# Altium PCB DIO-BNC.PCBDOC (part 1 of 3) (continued)
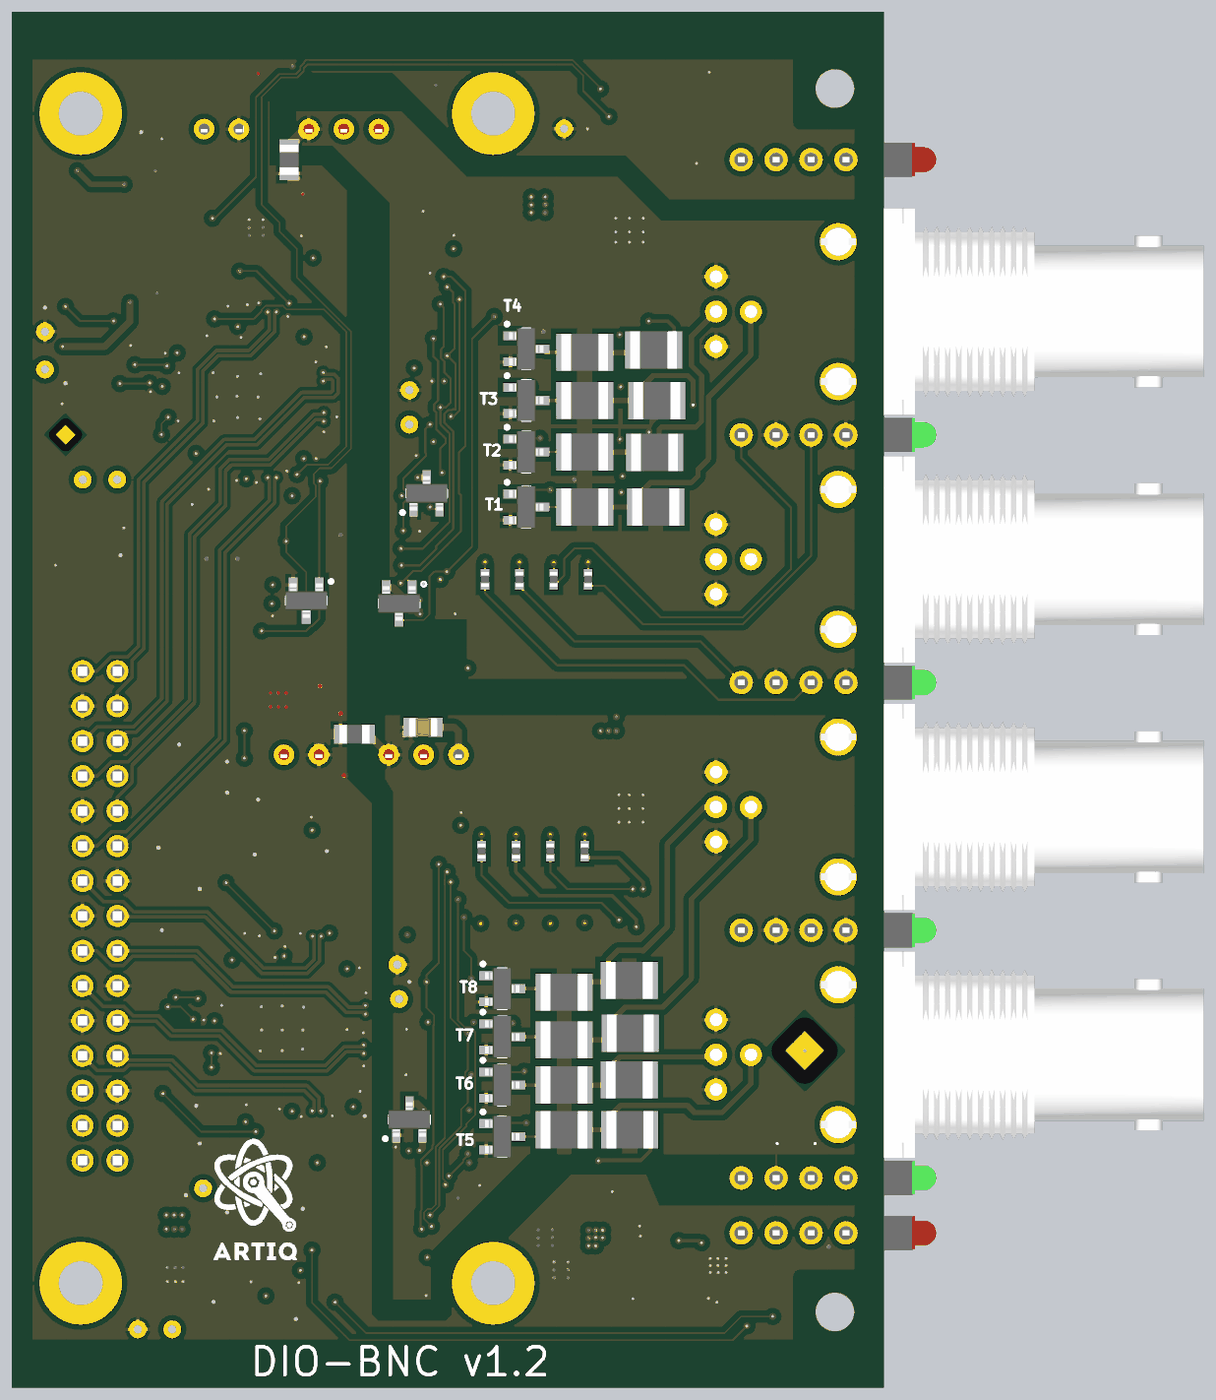
[diagram p7: 3D render of the assembled board from below, using the file's embedded part models]

## Layer stack, top to bottom
TopSolder: solder mask 0.4, Solder Resist, Dk 3.5
TopLayer: signal copper 1.4
Dielectric1: core 14.1732, FR-4, Dk 4.8
Internal Plane 2: plane copper 1.4169, net (Multiple Nets)
Dielectric 3: prepreg 31.4961, Dk 4.2
Internal Plane 1: plane copper 1.4169, net (Multiple Nets)
Dielectric2: core 14.1732, FR-4, Dk 4.2
BottomLayer: signal copper 1.4
BottomSolder: solder mask 0.4, Solder Resist, Dk 3.5

## Board outline
0,0 2496.06,0 2496.06,3937 0,3937

## Design rules (kind name [scope] priority, off if disabled: settings)
Clearance Clearance_DIFF [(InDifferentialPairClass('All Differential Pairs'))] p1: gap=5 ignorepadtopadclearanceinfootprint=FALSE except(0: Arc-Hole Track-Hole SMDPad-Hole THPad-Hole Via-Hole Fill-Hole Poly-Hole Region-Hole Text-Hole; 10: Arc-Poly Track-Poly SMDPad-Poly THPad-Poly Via-Poly Fill-Poly Poly-Poly Poly-Region Poly-Text)
Clearance [All] p2: gap=5 ignorepadtopadclearanceinfootprint=FALSE except(0: Arc-Hole Track-Hole SMDPad-Hole THPad-Hole Via-Hole Fill-Hole Poly-Hole Region-Hole Text-Hole; 15: Arc-Poly Track-Poly SMDPad-Poly THPad-Poly Via-Poly Fill-Poly Poly-Poly)
ComponentClearance [All] p1 off: gap=10 collisioncheckmode=3 verticalgap=10 showdistances=FALSE
DiffPairsRouting [All] p1: maxlimit=10 minlimit=5 mostfreqgap=5 toplayer_minwidth=5 toplayer_maxwidth=15 toplayer_prefwidth=10 bottomlayer_minwidth=5 bottomlayer_maxwidth=15 bottomlayer_prefwidth=10 maxuncoupledlength=500
FabricationTestPointUsage TestPointUsage [All] p1: valid=0 allowmultiple=FALSE
FabricationTestpoint Testpoint [All] p1: side=3 testpointundercomponent=TRUE minsize=40 maxsize=100 preferedsize=60 minholesize=20 maxholesize=40 preferedholesize=32 testpointgrid=1 allowsidetop=TRUE allowsidebottom=TRUE usegrid=TRUE gridtolerance=0.01
Height [All] p1 off: minheight=0 maxheight=1000 prefheight=500
HoleSize [All] p1: absolutevalues=TRUE maxlimit=150 minlimit=1 maxpercent=80.000 minpercent=20.000
HoleToHoleClearance [All] p1: gap=1 allowstackedmicrovias=TRUE
MinimumSolderMaskSliver [All] p1: minsoldermaskwidth=0
PlaneClearance [All] p1: clearance=10
PlaneConnect [All] p1: planeconnectstyle=Direct reliefexpansion=20 reliefentries=4 reliefconductorwidth=10 reliefairgap=10
PolygonConnect PolygonConnect_pad [(InPadClass('All Pads'))] p1: connectstyle=Relief reliefconductorwidth=10 reliefentries=4 polygonreliefangle="90 Angle" airgapwidth=10
PolygonConnect [All] p2: connectstyle=Direct reliefconductorwidth=10 reliefentries=4 polygonreliefangle="45 Angle" airgapwidth=10
RoomDefinition DIO-BNC [InComponentClass('DIO-BNC')] p1 off: confinementstyle=ConfineIn formatcopy=TRUE lockcomponents=FALSE outline -4000,-6000 -2000,-6000 -2000,-5000 -4000,-5000
RoomDefinition DIO-BNC_Supply [InComponentClass('DIO-BNC_Supply')] p2 off: confinementstyle=ConfineIn formatcopy=TRUE lockcomponents=FALSE outline -960,-90 2512,-90 2512,4002 -960,4002
RoutingVias [All] p1: holewidth=7.87 width=19.68 viastyle="Through Hole" minholewidth=7.87 minwidth=19.68 maxholewidth=28 maxwidth=50
SilkToSilkClearance [All] p1: silktosilkclearance=0
SilkToSolderMaskClearance SilkscreenOverComponentPads [IsPad] p1: minsilkscreentomaskgap=0 clearancetoexposedcopper=TRUE
SolderMaskExpansion [All] p1: expansion=2
Width [All] p1: maxlimit=50 minlimit=5 preferedwidth=5
18 further rules are at their usual default settings.

## Classes and differential pairs
component class DIO-BNC: B1 B2 B3 B4 B5 B6 B7 B8 C37 C38 IC3 IC4 IC5 IC8 IC9 IC10 IC11 IC13 IC21 IC22 IC28 IC29 IC32 J1 J2 J3 J4 J37 LD1 LD2 LD3 LD5 LD6 LD8 R1 R2 R3 R4 R5 R7 R9 R11 R12 R13 R14 R15 R16 R17 R19 R20 R21 R22 R23 R24 R26 R27 R28 R29 R30 R31 R32 R33 R134 R135 R136 R137 R138 R139 R140 R141 R142 R143 R144 R145 R146 R147 R148 R149 R150 R151 R152 R153 R154 R155 R156 R157 R158 R159 R160 R161 R162 R163 R164 R165 R166 R168 R169 R170 R171 R172 SW1 SW2 SW9 T1 T2 T3 T4 T5 T6 T7 T8 T26 T27 T28 T29
component class DIO-BNC_Supply: B9 B10 B11 B12 C1 C2 C3 C4 C14 C15 C16 C17 C18 C19 C20 C21 C22 C23 C24 C28 C29 C30 C31 C32 C33 C34 C35 C36 C48 C49 C50 C51 C52 C53 C54 C55 C56 C69 C70 C71 C72 C73 C74 C75 FTG17 FTG18 FTG19 FTG20 IC1 IC2 IC12 IC30 IC31 L1 L2 L3 LD4 LD7 LD9 NUT1 NUT2 NUT3 NUT4 NUT5 NUT6 NUT7 NUT8 R6 R8 R10 R18 R25 R167 R173 WASHER1 WASHER2 WASHER3 WASHER4 WASHER5 WASHER6 WASHER7 WASHER8
differential pair LVDS2: +LVDS1_P -LVDS1_N
differential pair LVDS3: +LVDS2_P -LVDS2_N
differential pair LVDS4: +LVDS3_P -LVDS3_N
differential pair LVDS5: +LVDS4_P -LVDS4_N
differential pair LVDS6: +LVDS5_P -LVDS5_N
differential pair LVDS7: +LVDS6_P -LVDS6_N
differential pair LVDS0: +LVDS0_P -LVDS0_N
differential pair LVDS7: +LVDS7_P -LVDS7_N

## Components (designator, comment, footprint, x,y, rotation, side; value= is the part's Value field where it differs from the comment)
B1 "Plated Hole" c130h60 915.35,3602.36 r0 top
B2 "Plated Hole" c130h60 2401.57,3021.65 r0 top
B3 "Plated Hole" c130h60 2401.57,2913.39 r0 top
B4 "Plated Hole" c130h60 2135.83,167.32 r0 top
B5 "Plated Hole" c130h60 1948.82,570.87 r0 top
B6 "Plated Hole" c130h60 2037.4,167.32 r0 top
B7 "Plated Hole" c130h60 2194.88,2598.43 r0 top
B8 "Plated Hole" c130h60 2293.31,2598.43 r0 top
B9 "Plated Hole" c130h60 1358.27,2755.91 r0 top
B10 "Plated Hole" c130h60 1358.27,2854.33 r0 top
B11 "Plated Hole" c130h60 1387.8,1112.2 r0 top
B12 "Plated Hole" c130h60 1392.8,1210.63 r0 top
C1 "22uF" CAPC2012X135N 1259.84,3405.51 r90 top
C2 "22uF" CAPC2012X135N 1271.97,2247.72 r90 top
C3 "22uF" CAPC2012X135N 1368.11,836.61 r180 top
C4 "22uF" CAPC2012X135N 1318.9,1889.76 r180 bottom
C14 "100nF" CAPC1005X55N 1642,2978 r0 top
C15 "100nF" CAPC1005X55N 1643,2691 r0 top
C16 "100nF" CAPC1005X55N 1716,2226 r90 top
C17 "100nF" CAPC1005X55N 1595,1625 r270 top
C18 "10uF" CAPAE430X540N 1962,398 r270 top
C19 "100nF" CAPC1005X55N 2039,2990 r180 top
C20 "100nF" CAPC1005X55N 1836,1242 r270 top
C21 "100nF" CAPC1005X55N 730.31,561.02 r180 top
C22 "100nF" CAPC1005X55N 1639,317 r90 top
C23 "100nF" CAPC1005X55N 1929,1017 r180 top
C24 "100nF" CAPC1005X55N 1712,829 r180 top
C28 "100nF" CAPC1005X55N 1308,321 r90 top
C29 "100nF" CAPC1005X55N 1360,781 r180 top
C30 "100nF" CAPC1005X55N 1348.43,1053.15 r180 top
C31 "100nF" CAPC1005X55N 1251,1627 r270 top
C32 "10uF" CAPAE430X540N 720.58,1833.41 r270 top
C33 "100nF" CAPC1005X55N 2066.93,3622.05 r90 top
C34 "10uF" CAPAE430X540N 858,270 r0 top
C35 "100nF" CAPC1005X55N 643,172 r90 top
C36 "10uF" CAPAE430X540N 1830.71,3248.03 r180 top
C37 "100nF" CAPC1005X55N 2372,2400 r90 top
C38 "100nF" CAPC1005X55N 2156,3038 r90 top
C48 "100nF" CAPC1005X55N 1370,2230 r90 top
C49 "100nF" CAPC1005X55N 1276.36,2912.89 r180 top
C50 "100nF" CAPC1005X55N 1289.37,2667.32 r180 top
C51 "100nF" CAPC1005X55N 1267.57,3279.83 r270 top
C52 "10uF" CAPAE430X540N 914.26,3312.32 r180 top
C53 "100nF" CAPC1005X55N 1633.86,3277.56 r270 top
C54 "100nF" CAPC1005X55N 1843,2632 r180 top
C55 "100nF" CAPC1005X55N 1822,3054 r270 top
C56 "100nF" CAPC1005X55N 2068,2828 r180 top
C69 "100nF" CAPC1005X55N 1517,878 r0 top
C70 "100nF" CAPC1005X55N 1519,1169 r0 top
C71 "10uF" CAPAE430X540N 914,491 r0 top
C72 "100nF" CAPC1005X55N 1686,1245 r270 top
C73 "22uF" CAPC2012X135N 749.69,480 r90 top
C74 "100nF" CAPC1005X55N 548,256 r0 top
C75 "22uF" CAPC2012X135N 526,193 r0 top
FTG17 "Use only in PCB" FIDUCIAL_TOP_C100-200 629.92,3533.46 r90 top
FTG18 "Use only in PCB" FIDUCIAL_TOP_S100-200 2411.42,157.48 r90 top
FTG19 "Use only in PCB" FIDUCIAL_TOP_S200-400 226.38,964.57 r180 bottom
FTG20 "Use only in PCB" FIDUCIAL_TOP_S100-200 2342.52,2726.38 r90 bottom
IC1 "NXE2S1205MC" DCDC_MURATA_NXE2 1515.75,1909.45 r180 top
IC2 "NXE2S1205MC" DCDC_MURATA_NXE2 1584.65,3572.83 r180 top
IC3 "MCP810T-315I/TT" SOT95P237X112-3N 1309.06,2559.06 r90 bottom
IC4 "MCP810T-315I/TT" SOT95P237X112-3N 1358.27,767.72 r90 bottom
IC8 "SN74BCT25245DW" SOIC127P1030X265-24N 1065,920 r0 top
IC9 "SN65MLVD040RGZT" QFN50P700X700X100-49N-S420 1722,1025 r0 top
IC10 "SI8651BB-B-IS1" SOIC127P600X175-16N 1472,468 r0 top
IC11 "SI8651BB-B-IS1" SOIC127P600X175-16N 1426,1471 r180 top
IC12 "DNP" DCDC_TRACO_TMA 1417.32,1811.02 r180 top
IC13 "PCF8574ADW" SOIC127P1030X265-16N 2209,3307 r0 top
IC21 "SN65MLVD040RGZT" QFN50P700X700X100-49N-S420 1850,2835 r0 top
IC22 "SI8651BB-B-IS1" SOIC127P600X175-16N 1537,2377 r0 top
IC28 "SI8651BB-B-IS1" SOIC127P600X175-16N 1450.57,3127.83 r180 top
IC29 "SN74BCT25245DW" SOIC127P1030X265-24N 995.36,2787.89 r0 top
IC30 "TPS62175DQC" SON50P200X300X80-11N-R94X250 576,351 r90 top
IC31 "DNP" DCDC_TRACO_TMA 1646,3601 r180 top
IC32 "24AA02E48T-I/OT" SOT95P280X145-5N 2264,2460 r0 top
J1 "BNC" RENHOTEC_RHT-610-0049 236.22,3078.98 r180 top locked
J2 "BNC" RENHOTEC_RHT-610-0049 236.22,2370.32 r180 top locked
J3 "BNC" RENHOTEC_RHT-610-0049 236.22,953 r180 top locked
J4 "BNC" RENHOTEC_RHT-610-0049 236.22,1661.66 r180 top locked
J37 "Familly" 3M_N2530-6002RB 2244,1350 r270 top locked
L1 "10uH" IND_MURATA-PS_8400 580.71,511.81 r0 top
L2 "10uH" IND_MURATA-PS_8400 1131.89,3366.14 r90 top
L3 "10uH" IND_MURATA-PS_8400 915.35,1850.39 r270 top
LD1 "Green/Green" LED_DIALIGHT_571-0122F 108.27,2017.72 r0 top
LD2 "Green/Green" LED_DIALIGHT_571-0122F 108.27,2726.38 r0 top
LD3 "Green/Green" LED_DIALIGHT_571-0122F 108.27,600.39 r0 top
LD4 "Green" LED_KINGBRIGHT_KPH-1608CGCK 1791.34,196.85 r0 top
LD5 "Red/Green" LED_DIALIGHT_571-0112F 108.27,3513.78 r0 top
LD6 "Red/Green" LED_DIALIGHT_571-0112F 108.27,442.91 r0 top
LD7 "Green" LED_KINGBRIGHT_KPH-1608CGCK 1980.08,644.76 r0 top
LD8 "Green/Green" LED_DIALIGHT_571-0122F 108.27,1309.06 r0 top
LD9 "Green" LED_KINGBRIGHT_KPH-1608CGCK 2372.05,2608.27 r270 top
NUT1 "BNC Nut" TE_1-329631-2 -255,3077 r0 top
NUT2 "BNC Nut" TE_1-329631-2 -255,3077 r0 top
NUT3 "BNC Nut" TE_1-329631-2 -253,2366 r0 top
NUT4 "BNC Nut" TE_1-329631-2 -253,1660 r0 top
NUT5 "BNC Nut" TE_1-329631-2 -256,956 r0 top
NUT6 "BNC Nut" TE_1-329631-2 -254,2368 r0 top
NUT7 "BNC Nut" TE_1-329631-2 -253,1660 r0 top
NUT8 "BNC Nut" TE_1-329631-2 -255,954 r0 top
R1 "510" RESC1005X40N 846.46,2312.99 r270 bottom
R2 "510" RESC1005X40N 944.88,2312.99 r270 bottom
R3 "510" RESC1005X40N 1043.31,2312.99 r270 bottom
R4 "510" RESC1005X40N 1141.73,2312.99 r270 bottom
R5 "510" RESC1005X40N 856.3,1535.43 r270 bottom
R6 "10k" RESC1005X40N 1909.45,196.85 r0 top
R7 "510" RESC1005X40N 954.72,1535.43 r270 bottom
R8 "510" RESC1005X40N 2037.4,561.02 r90 top
R9 "510" RESC1005X40N 1053.15,1535.43 r270 bottom
R10 "510" RESC1005X40N 2372.05,2490.16 r90 top
R11 "510" RESC1005X40N 1151.57,1535.43 r270 bottom
R12 "Undefined" RESC1005X40N 1299.21,2470.47 r90 top
R13 "30R" RESC3225X70N 653,2519.68 r180 bottom
R14 "30R" RESC3225X70N 656,2676 r180 bottom
R15 "30R" RESC3225X70N 650,2824 r180 bottom
R16 "30R" RESC3225X70N 659,2969 r180 bottom
R17 "100" RESC1005X40N 1259.84,3218.5 r0 top
R18 "100k" RESC2012X60N 1702.76,3513.78 r270 bottom
R19 "Undefined" RESC1005X40N 1200.79,580.71 r0 top
R20 "30R" RESC3225X70N 727,738 r180 bottom
R21 "30R" RESC3225X70N 729,881 r180 bottom
R22 "30R" RESC3225X70N 726,1014 r180 bottom
R23 "30R" RESC3225X70N 729,1166 r180 bottom
R24 "100" RESC1005X40N 1259.84,1545.28 r90 top
R25 "100k" RESC2012X60N 1515.75,1870.08 r0 bottom
R26 "22" RESC1005X40N 1269.69,2559.06 r0 top
R27 "22" RESC1005X40N 1250,2736.22 r90 top
R28 "22" RESC1005X40N 1269.69,2844.49 r0 top
R29 "22" RESC1005X40N 1250,3001.97 r270 top
R30 "22" RESC1005X40N 1318.9,728.35 r270 top
R31 "22" RESC1005X40N 1320,920 r90 top
R32 "22" RESC1005X40N 1318.9,994.09 r90 top
R33 "22" RESC1005X40N 1318.9,1112.2 r90 top
R134 "220" RESC1608X55N 674,3716 r0 top
R135 "220" RESC1608X55N 673,3637 r0 top
R136 "10k" RESC1005X40N 1717,2316 r270 top
R137 "10k" RESC1005X40N 1722.44,2165.35 r180 top
R138 "100" RESC1005X40N 1878,3052 r90 top
R139 "49R9" RESC3225X70N 856.3,2519.68 r180 bottom
R140 "10k" RESC1005X40N 687.36,2510.89 r0 top
R141 "100" RESC1005X40N 1751,3028 r180 top
R142 "49R9" RESC3225X70N 856.3,2677.17 r180 bottom
R143 "10k" RESC1005X40N 689.36,2762.89 r0 top
R144 "100" RESC1005X40N 1658,2892 r270 top
R145 "49R9" RESC3225X70N 856.3,2824.8 r180 bottom
R146 "10k" RESC1005X40N 689.86,2812.89 r0 top
R147 "100" RESC1005X40N 1661,2776 r270 top
R148 "49R9" RESC3225X70N 856.3,2962.6 r180 bottom
R149 "10k" RESC1005X40N 727.36,3035.39 r90 top
R150 "10k" RESC1005X40N 1304,2341 r0 top
R151 "100" RESC1005X40N 1752,2643 r0 top
R152 "10k" RESC1005X40N 1920,2622 r270 top
R153 "220" RESC1608X55N 311,287 r270 top
R154 "220" RESC1608X55N 392,286 r270 top
R155 "10k" RESC1005X40N 1787,498 r0 top
R156 "10k" RESC1005X40N 1749,298 r0 top
R157 "100" RESC1005X40N 1791,818 r270 top
R158 "49R9" RESC3225X70N 915.35,738.19 r180 bottom
R159 "10k" RESC1005X40N 785,746 r0 top
R160 "100" RESC1005X40N 1623,1223 r180 top
R161 "49R9" RESC3225X70N 915.35,866.14 r180 bottom
R162 "10k" RESC1005X40N 782,901 r0 top
R163 "100" RESC1005X40N 1535,1083 r270 top
R164 "49R9" RESC3225X70N 915.35,995 r180 bottom
R165 "10k" RESC1005X40N 782,1001 r0 top
R166 "100" RESC1005X40N 1526,968 r270 top
R167 "270k" RESC1608X55N 685,354 r90 top
R168 "49R9" RESC3225X70N 915.35,1131.89 r180 bottom
R169 "10k" RESC1005X40N 786.22,1141.73 r0 top
R170 "100" RESC1005X40N 1624,835 r0 top
R171 "10k" RESC1005X40N 1788,1243 r90 top
R172 "10k" RESC1005X40N 1330,1214 r90 top
R173 "82k" RESC1608X55N 651,255 r180 top
SW1 "Switch" SW_OMRON_A6S-4102-H 994.09,2234.25 r90 top
SW2 "Switch" SW_OMRON_A6S-4102-H 1003.94,1456.69 r90 top
SW9 "Switch" SW_OMRON_A6S-2102-H 1903,2296 r90 top
T1 "BSS138LT1G" SOT95P240X110-3N 1023.62,2519.68 r180 bottom
T2 "BSS138LT1G" SOT95P240X110-3N 1023.62,2677.17 r180 bottom
T3 "BSS138LT1G" SOT95P240X110-3N 1023.62,2824.8 r180 bottom
T4 "BSS138LT1G" SOT95P240X110-3N 1023.62,2972.44 r180 bottom
T5 "BSS138LT1G" SOT95P240X110-3N 1092.52,718.5 r180 bottom
T6 "BSS138LT1G" SOT95P240X110-3N 1092.52,866.14 r180 bottom
T7 "BSS138LT1G" SOT95P240X110-3N 1092.52,1003.94 r180 bottom
T8 "BSS138LT1G" SOT95P240X110-3N 1092.52,1141.73 r180 bottom
T26 "BSS138LT1G" SOT95P240X110-3N 1653.54,2252 r270 bottom
T27 "BSS138LT1G" SOT95P240X110-3N 1387.8,2244.09 r270 bottom
T28 "BSS138LT1G" SOT95P240X110-3N 1771,406 r90 top
T29 "BSS138LT1G" SOT95P240X110-3N 1210.63,492.13 r180 top
WASHER1 "D15.8d12.75" TE_1-1634817-0 -208,951 r0 top
WASHER2 "D15.8d12.75" TE_1-1634817-0 -208,947 r0 top
WASHER3 "D15.8d12.75" TE_1-1634817-0 -197.88,1660 r0 top
WASHER4 "D15.8d12.75" TE_1-1634817-0 -197.88,1660 r0 top
WASHER5 "D15.8d12.75" TE_1-1634817-0 -197.88,2366 r0 top
WASHER6 "D15.8d12.75" TE_1-1634817-0 -197.88,2366 r0 top
WASHER7 "D15.8d12.75" TE_1-1634817-0 -199.88,3077 r0 top
WASHER8 "D15.8d12.75" TE_1-1634817-0 -198.58,3074 r0 top
